# Altium PCB Main_Board.PcbDoc (part 17 of 19) (continued)
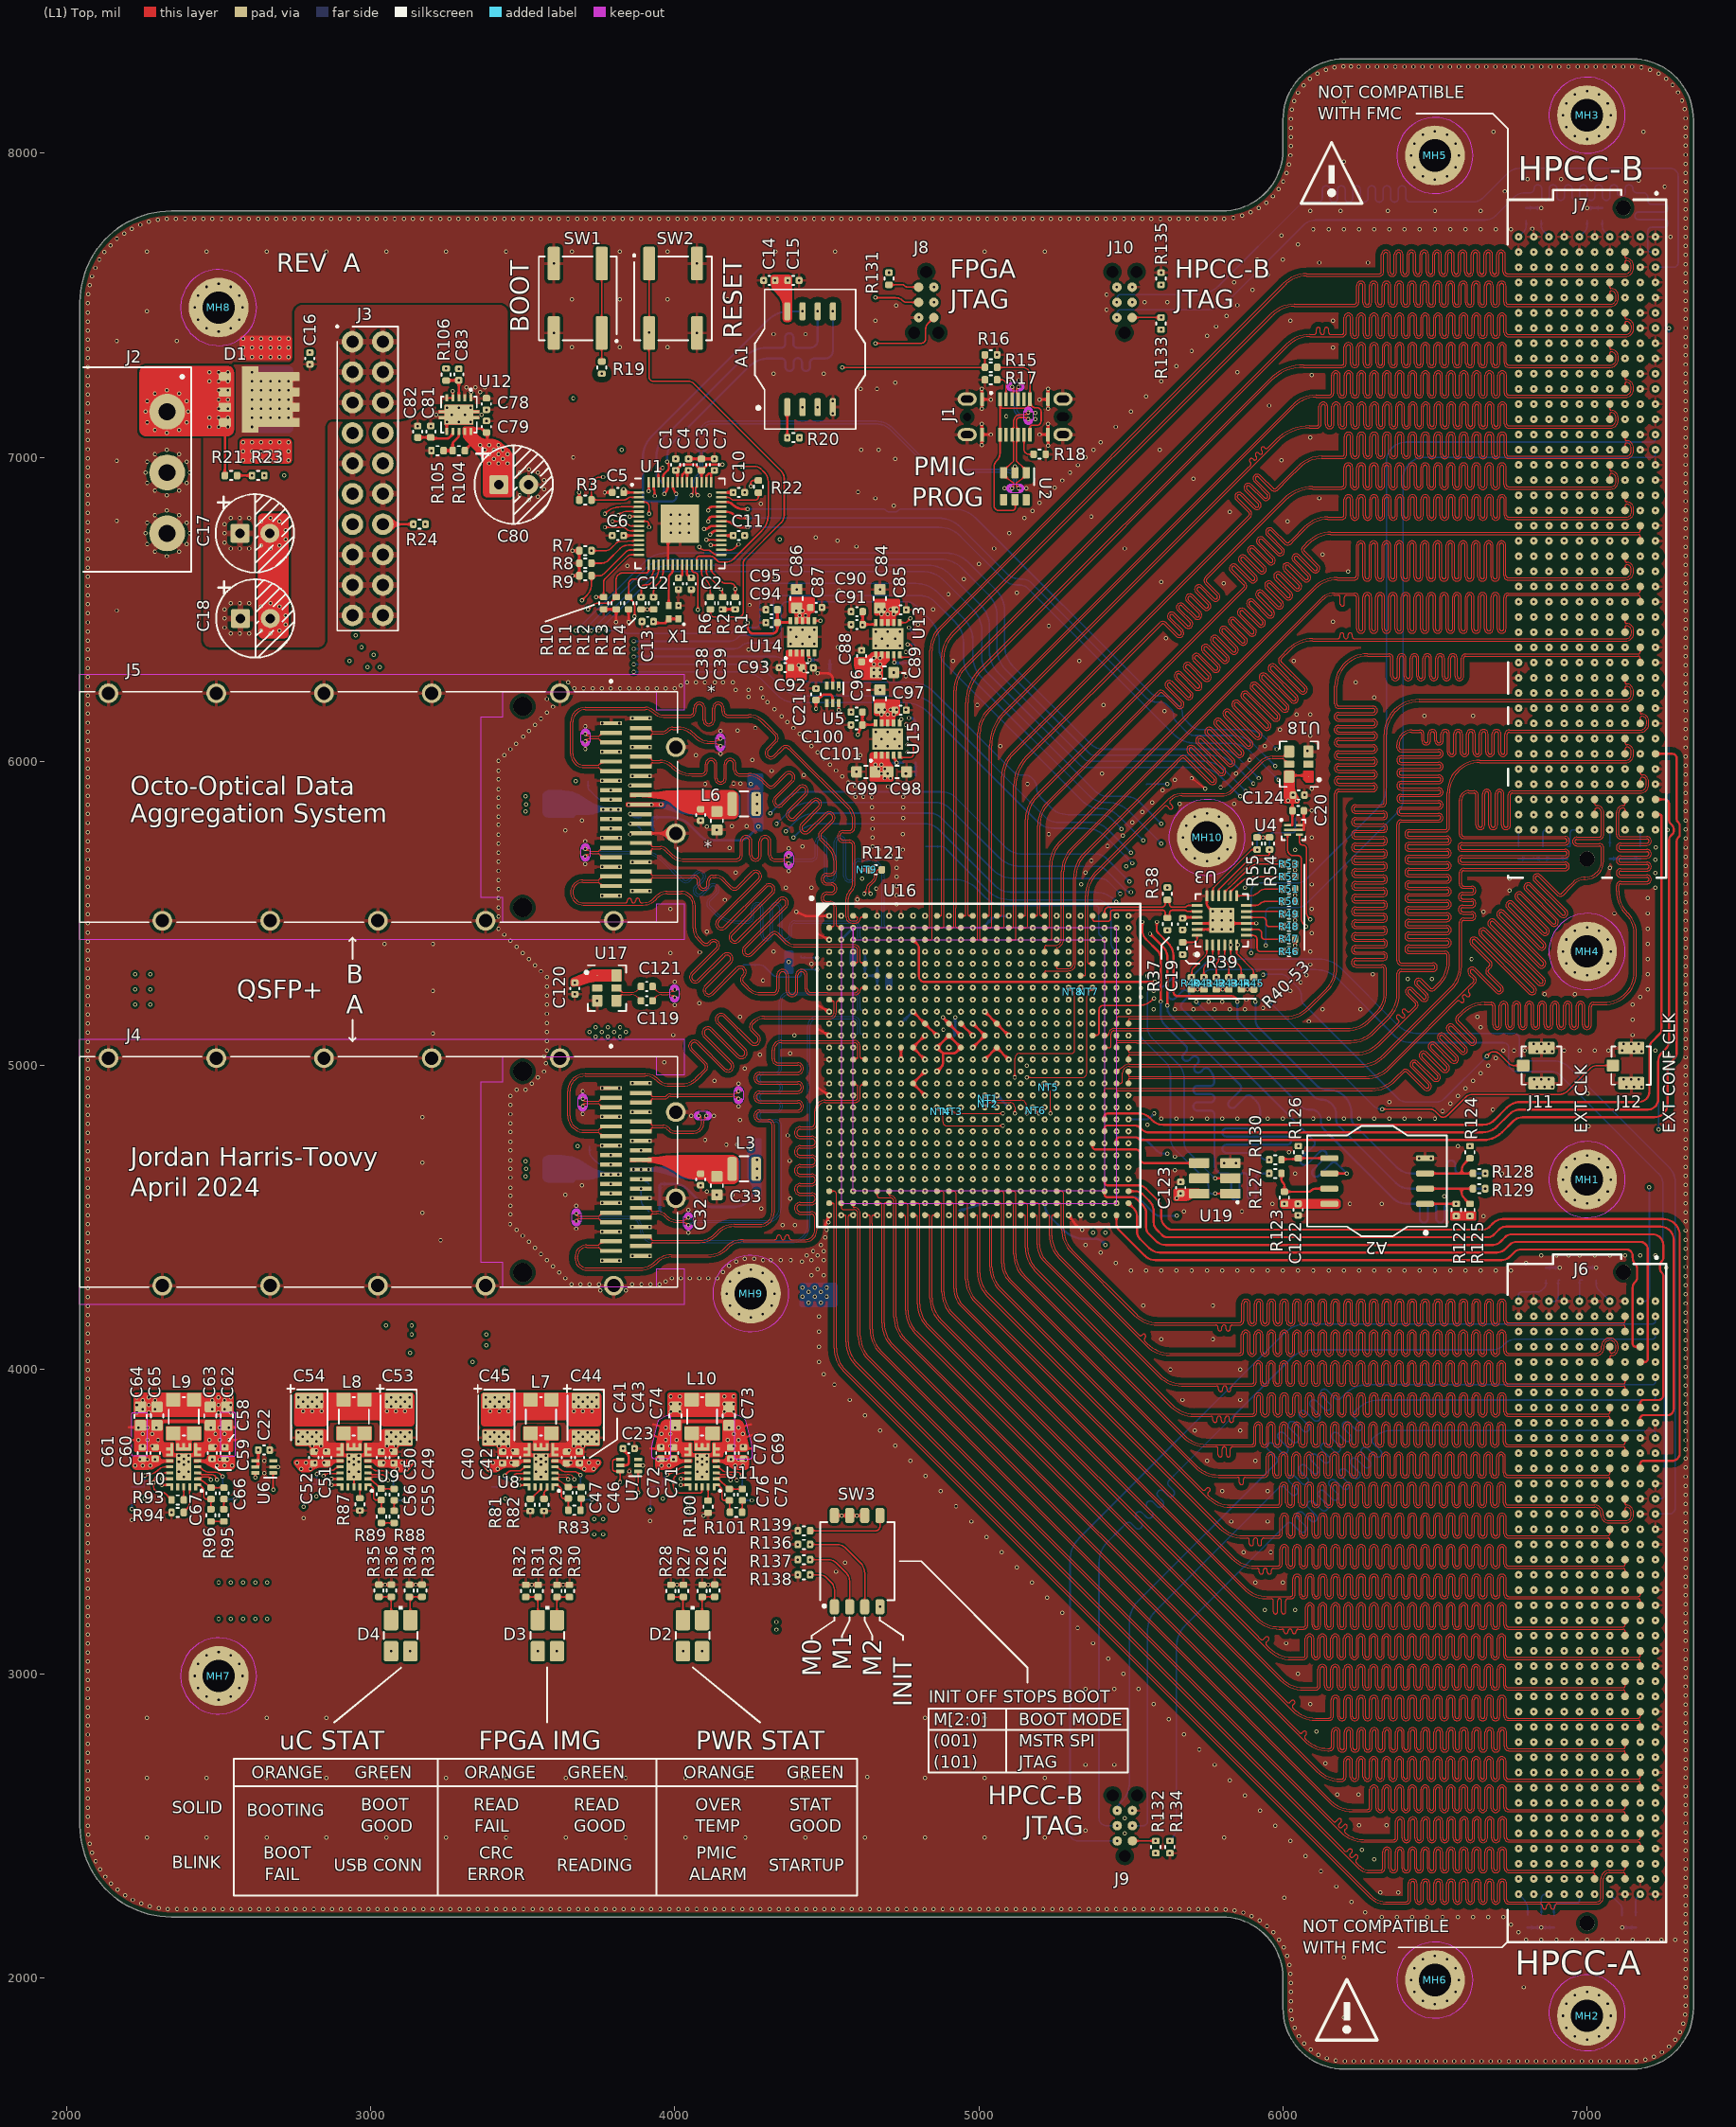
[diagram p0: (L1) Top view]
## Nets (pads, with @x,y where several pads share a name; then routed paths per layer and width w, separated by ;. In a path a pad name is that pad's centre, name@x,y a point inside that pad or via, vN(x,y) a via of type N, cw(c..) or ccw(c..) an arc to the next point about the centre after c; other vN are vias at no path point) (continued)
QSFP_A_TX4_P: J4.6 U16.H1 | length 2163
  (L1) Top w3.5: J4.6@3790.16,4768.11 3756.47,4773.25 3751.04,4778.99 3750.75,4779.24 ccw(c3748.47,4776.58) 3748.52,4780.08 3740,4780.08 3702.37,4780.08 cw(c3702.37,4835) 3647.45,4835 3647.45,4915 cw(c3705,4915) 3705,4972.55 3903.79,4972.55 cw(c3903.79,4913.79) 3945.34,4955.34 ccw(c3982.37,4992.37) 3982.37,4940 4025,4940 ccw(c4025,5000.36) 4067.68,4957.68 4068.77,4958.77 4097.4,4987.4 ccw(c4089.1,4995.71) 4097.4,5004.02 4051.17,5050.25 cw(c4064.79,5063.93) 4051.13,5077.56 ; 4051.16,5077.59 cw(c4064.79,5063.93) 4077.24,5078.68 4077.33,5078.68 4166.64,4989.37 ccw(c4174.93,4997.7) 4183.23,4989.39 ccw(c4174.93,4997.7) 4183.22,5006.03 4095.08,5094.16 ; 4095.07,5094.17 cw(c4108.7,5107.84) 4095.04,5121.47 ; 4095.07,5121.5 cw(c4108.7,5107.84) 4121.15,5122.59 4121.25,5122.59 4210.55,5033.28 ccw(c4218.84,5041.62) 4227.15,5033.31 ccw(c4218.84,5041.62) 4227.13,5049.94 ; 4138.99,5138.07 4227.12,5049.95 ; 4138.98,5138.08 cw(c4152.62,5151.75) 4138.97,5165.39 cw(c4152.62,5151.75) 4165.06,5166.5 4165.16,5166.5 4254.46,5077.19 ccw(c4262.75,5085.53) 4271.06,5077.22 ccw(c4262.75,5085.53) 4271.04,5093.85 4251.12,5113.77 cw(c4264.74,5127.45) 4251.09,5141.09 4255,5145 4255.52,5145.52 cw(c4293.34,5107.76) 4293.34,5161.2 4486.25,5161.2 4486.45,5161 4509.88,5161 ccw(c4509.88,5175) 4523.88,5175 4523.88,5207.65 ccw(c4520.38,5207.65) 4521.72,5210.88 U16.H1@4507.87,5216.54
QSFP_A_VCCA1: C32.2 C33.2 J4.30 L3.1
QSFP_A_VCCRX: C28.2 C29.2 J4.10 L1.1
  other v1: 3765.16,4642.13 3790.16,4642.13 3815.16,4642.13
QSFP_A_VCCTX: C30.2 C31.2 J4.29 L2.1
  other v1: 3863.58,4657.87 3888.58,4657.87 3913.58,4657.87
QSFP_B_I2C_SCL: J5.11 R47.1 U3.8 | length 2664.4
  (L1) Top w5: U3.8@5879.42,5447.63 5917.37,5447.63 cw(c5917.37,5435) 5930,5435 5930,5425 ccw(c5940,5425) 5940,5415 5998.89,5415 ccw(c5998.89,5416.03) v1(5999.92,5416.03)
  (L3) Inner 2 w5: v1(3790.16,5810.63) 3930.31,5810.63 ccw(c3930.31,5859.69) 3965,5825 cw(c3989.14,5800.86) 3989.14,5835 3997.17,5835 4014.67,5835 cw(c4014.67,5827.5) 4022.17,5827.5 4022.17,5817.57 ccw(c4029.67,5817.57) 4037.17,5817.57 4037.17,5827.5 cw(c4044.67,5827.5) 4044.67,5835 4059.94,5835 4090,5835 cw(c4090,5810.86) 4107.07,5827.93 4110,5825 ccw(c4146.21,5861.21) 4146.21,5810 4280,5810 ccw(c4280,5846.73) 4305.97,5820.76 v1(4313.71,5828.5)
  (L8) Inner 7 w5: v1(5495,5605) 5615.86,5605 cw(c5615.86,5570.86) 5640,5595 5695.86,5539.14 ccw(c5730,5573.28) 5730,5525 5845,5525 cw(c5845,5510) 5860,5510 5860,5460 ccw(c5875,5460) 5875,5445 5915,5445 cw(c5915,5430) 5930,5430 ccw(c5945,5430) 5945,5415 5998.89,5415 ccw(c5998.89,5416.03) v1(5999.92,5416.03)
  (L12) Bottom w5: v1(4313.71,5828.5) 4313.71,5828.71 4355.71,5870.71 cw(c4426.42,5800) 4426.42,5900 4876.72,5900 cw(c4876.72,5831.72) 4925,5880 5085.25,5719.75 ccw(c5145,5779.5) 5145,5695 5390,5695 cw(c5390,5658.79) 5415.61,5684.39 v1(5495,5605)
QSFP_B_I2C_SDA: J5.12 R46.1 U3.7 | length 2676.6
  (L1) Top w5: U3.7@5879.42,5427.94 5902.06,5427.94 cw(c5902.06,5415) 5915,5415 5915,5385 ccw(c5925,5385) 5925,5375 v1(5999.92,5375)
  (L3) Inner 2 w5: v1(3790.16,5779.13) ccw(c3795.31,5784.29) 3795.31,5777 3866.59,5777 cw(c3866.59,5677) 3937.3,5747.71 3955.53,5729.48 ccw(c3991.21,5766.21) 3991.21,5715 4090,5715 ccw(c4090,5763.28) 4124.14,5729.14 4150,5755 cw(c4174.14,5730.86) 4174.14,5765 4263.58,5765 ccw(c4263.58,5865) 4334.29,5794.29 v1(4335,5795)
  (L8) Inner 7 w5: v1(5500,5570) 5609.7,5570 cw(c5609.7,5550.35) 5623.6,5564.25 5690.92,5496.92 cw(c5669,5475) 5700,5475 5700,5450 ccw(c5720,5450) 5720,5430 5890,5430 cw(c5890,5405) 5915,5405 5915,5385 ccw(c5925,5385) 5925,5375 v1(5999.92,5375)
  (L12) Bottom w5: v1(4335,5795) 4375.71,5835.71 cw(c4446.42,5765) 4446.42,5865 4645.06,5865 ccw(c4645.03,5870) 4645.77,5865.06 cw(c4648.33,5848.82) 4650.88,5865.06 ccw(c4651.62,5870) 4651.59,5865 4856.72,5865 cw(c4856.72,5796.72) 4905,5845 5065.71,5684.29 ccw(c5136.42,5755) 5136.42,5655 5390,5655 cw(c5390,5618.79) 5415.61,5644.39 5480,5580 5482.93,5577.07 ccw(c5500,5594.14) v1(5500,5570)
QSFP_B_IntL/R\x\L\o\s\: J5.28 R61.1 U16.J21 | length 4474.1
  (L8) Inner 7 w5: v1(3853.15,5827.07) 3827.07,5827.07 ccw(c3827.07,5810) 3810,5810 3810,5775 cw(c3795,5775) 3795,5760 3785,5760 cw(c3785,5784.14) 3767.93,5767.07 3757.07,5777.93 ccw(c3740,5760.86) 3740,5785 3682.07,5785 cw(c3682.07,5802.07) 3670,5790 ccw(c3657.93,5777.93) 3657.93,5795 3510,5795 cw(c3510,5843.28) 3475.86,5809.14 3460.61,5824.39 ccw(c3435,5798.79) 3435,5835 3360,5835 cw(c3360,5855) 3340,5855 3340,6235 cw(c3430,6235) 3430,6325 3780,6325 ccw(c3780,6355) 3810,6355 cw(c3825,6355) 3825,6370 v1(3865,6370)
  (L10) Inner 9 w5: v1(5295.28,5177.17) 5307.17,5177.17 ccw(c5307.17,5185) 5315,5185 5315,5508.58 cw(c5415,5508.58) 5344.29,5579.29 5480.25,5715.25 cw(c5540,5655.5) v1(5540,5740)
  (L12) Bottom w5: v1(3853.15,5827.07) 3860.94,5819.06 3861,5819 ccw(c3868.16,5826.16) 3868.16,5816.03 R61.1@3889.76,5816.03 ; v1(3865,6370) 4195.86,6370 ccw(c4195.86,6404.14) 4220,6380 cw(c4244.14,6355.86) 4244.14,6390 4335,6390 ccw(c4335,6405) 4350,6405 4350,6505 cw(c4370,6505) 4370,6525 4760,6525 cw(c4760,6476.72) 4794.14,6510.86 4840.71,6464.29 cw(c4770,6393.58) 4870,6393.58 4870,6368.28 ccw(c4938.28,6368.28) 4890,6320 5340.25,5869.75 ccw(c5400,5929.5) 5400,5845 cw(c5400,5760.5) 5459.75,5820.25 v1(5540,5740)
QSFP_B_LPMode/TxDis: J5.31 U16.J25 | length 3572.7
  (L3) Inner 2 w5: v1(5452.76,5177.17) 5457.17,5177.17 ccw(c5457.17,5190) 5470,5190 5470,5510.86 cw(c5504.14,5510.86) 5480,5535 cw(c5504.14,5510.86) 5504.14,5545 5515,5545 ccw(c5515,5560) 5530,5560 5530,5655 ccw(c5520,5655) 5520,5665 v1(5505,5665)
  (L8) Inner 7 w5: v1(3853.15,5920.87) 3849.13,5920.87 cw(c3849.13,5935) 3835,5935 3835,5945 ccw(c3815,5945) 3815,5965 3636.42,5965 cw(c3636.42,6065) 3565.71,5994.29 3407.07,6152.93 cw(c3424.14,6170) 3400,6170 3400,6246.89 cw(c3433.11,6246.89) 3433.11,6280 3828.79,6280 ccw(c3828.79,6331.21) v1(3865,6295)
  (L12) Bottom w5: v1(3865,6295) 4218.58,6295 cw(c4218.58,6195) 4289.29,6265.71 4335.71,6219.29 ccw(c4399.77,6283.35) 4399.77,6192.76 4756.92,6192.76 cw(c4756.92,6083.35) 4834.29,6160.71 5193.79,5801.21 ccw(c5245,5852.43) 5245,5780 5348.58,5780 cw(c5348.58,5680) 5419.29,5750.71 v1(5505,5665)
QSFP_B_M\o\d\P\r\s\: J5.27 R59.1 U16.H24 | length 4612.6
  (L8) Inner 7 w5: v1(3853.15,5794.19) 3844.19,5794.19 ccw(c3844.19,5785) 3835,5785 3835,5740 cw(c3825,5740) 3825,5730 3745,5730 cw(c3745,5740) 3735,5740 3735,5745 ccw(c3725,5745) 3725,5755 3484.14,5755 cw(c3484.14,5789.14) 3460,5765 ccw(c3435.86,5740.86) 3435.86,5775 3350,5775 cw(c3350,5805) 3320,5805 3320,6240 cw(c3420,6240) 3420,6340 3770,6340 ccw(c3770,6365) 3795,6365 3795,6380 cw(c3810,6380) 3810,6395 v1(3865,6395)
  (L10) Inner 9 w5: v1(5413.39,5216.54) 5416.54,5216.54 ccw(c5416.54,5235) 5435,5235 5435,5538.58 cw(c5535,5538.58) 5464.29,5609.29 5480.86,5625.86 cw(c5515,5591.72) 5515,5640 5516.72,5640 ccw(c5516.72,5708.28) 5565,5660 5575.25,5670.25 ccw(c5515.5,5730) v1(5600,5730)
  (L12) Bottom w5: v1(3853.15,5794.19) 3863.47,5794.87 cw(c3863.8,5789.88) 3863.8,5794.88 cw(c3863.8,5774.8) 3878,5789 3884.53,5782.28 R59.1@3889.84,5775 ; v1(3865,6395) 4180.86,6395 ccw(c4180.86,6429.14) 4205,6405 4207.93,6407.93 cw(c4225,6390.86) 4225,6415 4315,6415 ccw(c4315,6425) 4325,6425 4325,6525 cw(c4345,6525) 4345,6545 4806.72,6545 cw(c4806.72,6476.72) 4855,6525 4920.71,6459.29 cw(c4850,6388.58) 4950,6388.58 4950,6338.28 ccw(c5042.43,6338.28) 4977.07,6272.93 5363.79,5886.21 ccw(c5415,5937.43) 5415,5865 5423.58,5865 cw(c5423.58,5765) 5494.29,5835.71 v1(5600,5730)
QSFP_B_M\o\d\S\e\l\: J5.8 U16.J24 | length 3651.1
  (L3) Inner 2 w5: v1(5413.39,5177.17) 5422.17,5177.17 ccw(c5422.17,5190) 5435,5190 5435,5593.58 cw(c5535,5593.58) 5464.29,5664.29 v1(5500,5700)
  (L8) Inner 7 w5: v1(3790.16,5905.12) 3603.86,5905.12 cw(c3603.86,5938.86) 3580,5915 3517.07,5977.93 ccw(c3500,5960.86) 3500,5985 3395,5985 cw(c3395,6000) 3380,6000 3380,6245 cw(c3430,6245) 3430,6295 3820,6295 ccw(c3820,6343.28) 3854.14,6309.14 v1(3865,6320)
  (L12) Bottom w5: v1(3865,6320) 4233.58,6320 cw(c4233.58,6220) 4304.29,6290.71 4350.71,6244.29 ccw(c4421.42,6315) 4421.42,6215 ; 4421.15,6215 4778.58,6215 cw(c4778.58,6115) 4849.29,6185.71 5220.86,5814.14 ccw(c5255,5848.28) 5255,5800 5364.64,5800 cw(c5364.64,5714.64) 5425,5775 v1(5500,5700)
QSFP_B_R\e\s\e\t\: J5.9 R57.1 U16.H22 | length 3928.2
  (L3) Inner 2 w5: v1(5334.65,5216.54) 5341.54,5216.54 ccw(c5341.54,5230) 5355,5230 5355,5563.58 cw(c5455,5563.58) 5384.29,5634.29 5492.93,5742.93 ccw(c5475.86,5760) 5500,5760 5500,5762.93 ccw(c5482.93,5762.93) 5495,5775 ccw(c5487.22,5767.22) 5487.22,5778.22 v1(5469.5,5778.22)
  (L8) Inner 7 w5: v1(3790.16,5873.62) 3587.47,5873.62 cw(c3587.47,5912.47) 3560,5885 3527.07,5917.93 ccw(c3510,5900.86) 3510,5925 3380,5925 cw(c3380,5945) 3360,5945 3360,6240 cw(c3430,6240) 3430,6310 3805,6310 ccw(c3805,6330) 3825,6330 cw(c3840,6330) 3840,6345 v1(3865,6345)
  (L12) Bottom w5: R57.1@3715.16,5935 3715.16,5916.69 ccw(c3731.69,5916.69) 3720,5905 3743.51,5881.49 ccw(c3764,5901.97) 3764,5873 3788.66,5873 ccw(c3788.66,5875.12) v1(3790.16,5873.62) ; v1(3865,6345) 4330.86,6345 cw(c4330.86,6310.86) 4355,6335 4412.32,6277.68 ccw(c4455,6320.36) 4455,6260 4778.58,6260 cw(c4778.58,6160) 4849.29,6230.71 5114.39,5965.61 ccw(c5140,5991.21) 5140,5955 5150.86,5955 cw(c5150.86,5920.86) 5175,5945 5179.39,5940.61 cw(c5153.79,5915) 5190,5915 ccw(c5238.28,5915) 5204.14,5880.86 5236.72,5848.28 ccw(c5292.93,5904.5) 5292.93,5825 5400.36,5825 cw(c5400.36,5771.01) 5438.53,5809.19 v1(5469.5,5778.22)
QSFP_B_RX1_N: J5.18 U16.G3 | length 2218.8
  (L1) Top w3.5: J5.18@3790.16,5590.16 3756.47,5595.3 3751.04,5601.04 3750.7,5601.32 ccw(c3748.46,5598.63) 3748.54,5602.13 3748.49,5602.13 3740,5602.13 3697.13,5602.13 ccw(c3697.13,5570) 3665,5570 ccw(c3700,5570) 3700,5535 3826.24,5535 3837.51,5535 ccw(c3837.51,5541.75) 3844.26,5541.75 3844.26,5543.2 cw(c3851.01,5543.2) 3857.76,5543.2 3857.76,5541.55 ccw(c3864.51,5541.55) 3871.26,5541.55 3871.26,5543.2 cw(c3878.01,5543.2) 3884.76,5543.2 3884.76,5541.75 ccw(c3891.51,5541.75) 3891.51,5535 3894.65,5535 ; 3894.7,5535 3905.01,5536.03 ccw(c3894.7,5587.32) 3906.76,5536.41 ccw(c3894.7,5587.32) 3931.7,5550.32 3939.02,5557.65 cw(c3975,5521.67) 3975,5572.55 4020,5572.55 cw(c4020,5525) 4067.55,5525 4067.55,5451.19 ; 4067.55,5451.14 ccw(c4112.67,5451.14) 4080.77,5419.23 4080.82,5419.18 4090.69,5409.31 4093.49,5406.51 4094.6,5405.4 ccw(c4102.91,5413.71) 4111.22,5405.4 4114.69,5408.87 cw(c4128.34,5395.22) 4141.98,5408.87 cw(c4128.34,5395.22) 4141.98,5381.58 ; 4141.96,5381.56 4059.31,5298.91 ccw(c4067.62,5290.6) 4059.31,5282.29 ccw(c4067.62,5290.6) 4075.91,5282.27 4158.6,5364.96 cw(c4172.25,5351.31) 4185.89,5364.96 cw(c4172.25,5351.31) 4185.89,5337.67 ; 4185.87,5337.65 4103.23,5255 ccw(c4111.53,5246.69) 4119.82,5238.36 4202.51,5321.05 cw(c4216.16,5307.4) 4229.81,5321.05 cw(c4216.16,5307.4) 4229.81,5293.75 4226.33,5290.28 ccw(c4234.64,5281.97) 4226.33,5273.67 4240.36,5259.64 4243.16,5256.84 4244.78,5255.22 ccw(c4281.04,5291.47) 4281.04,5240.2 4318.17,5240.2 4323.69,5240.2 ccw(c4323.69,5251.95) 4335.44,5251.95 4335.44,5296.58 cw(c4354.74,5296.58) 4374.04,5296.58 4374.04,5245.87 ccw(c4385.79,5245.87) 4397.54,5245.87 4397.54,5296.58 cw(c4416.84,5296.58) 4436.14,5296.58 4436.14,5251.95 ccw(c4447.89,5251.95) 4447.89,5240.2 4497.32,5240.2 4497.42,5240.1 4501.04,5240.1 4501.14,5240 4501.28,5240 4594,5240 ccw(c4594,5249) 4603,5249 ccw(c4596.09,5249) 4596.09,5255.91 U16.G3@4586.61,5255.91
QSFP_B_RX1_P: J5.17 U16.G4 | length 2216.4
  (L1) Top w3.5: J5.17@3790.16,5621.65 3756.47,5616.51 3751.04,5610.77 3750.98,5610.72 cw(c3748.49,5613.18) 3748.49,5609.68 3740,5609.68 3697.13,5609.68 ccw(c3697.13,5570) 3657.45,5570 ccw(c3700,5570) 3700,5527.45 3894.65,5527.45 ; 3894.7,5527.45 ccw(c3894.7,5587.32) 3937.04,5544.99 3944.36,5552.31 cw(c3975,5521.67) 3975,5565 4020,5565 cw(c4020,5525) 4060,5525 4060,5451.19 ; 4060,5451.14 ccw(c4112.67,5451.14) 4075.35,5413.97 4075.48,5413.84 4085.35,5403.97 4088.16,5401.17 4089.24,5400.09 ccw(c4102.91,5413.71) 4116.56,5400.06 4120.03,5403.53 cw(c4128.34,5395.22) 4136.64,5403.53 cw(c4128.34,5395.22) 4136.67,5386.94 4053.98,5304.25 ccw(c4067.62,5290.6) 4053.98,5276.95 ccw(c4067.62,5290.6) 4081.27,5276.95 ; 4081.29,5276.97 4163.94,5359.62 cw(c4172.25,5351.31) 4180.56,5359.62 cw(c4172.25,5351.31) 4180.58,5343.03 4097.89,5260.34 ccw(c4111.53,5246.69) 4097.87,5233.06 ; 4097.9,5233.03 ccw(c4111.53,5246.69) 4125.18,5233.04 4207.85,5315.71 cw(c4216.16,5307.4) 4224.47,5315.71 cw(c4216.16,5307.4) 4224.49,5299.12 4221,5295.62 ccw(c4234.64,5281.97) 4221.02,5268.3 4235.02,5254.3 4237.23,5252.09 4237.82,5251.5 4239.39,5249.93 ccw(c4281.04,5291.47) 4281.04,5232.65 4318.17,5232.65 4323.69,5232.65 ccw(c4323.69,5251.95) 4342.99,5251.95 4342.99,5296.58 cw(c4354.74,5296.58) 4366.49,5296.58 4366.49,5245.87 ccw(c4385.79,5245.87) 4405.09,5245.87 4405.09,5296.58 cw(c4416.84,5296.58) 4428.59,5296.58 4428.59,5251.95 ccw(c4447.89,5251.95) 4447.89,5232.65 4497.32,5232.65 4497.42,5232.75 4498,5232.75 4498.1,5232.65 4501.28,5232.65 4594,5232.65 ccw(c4594,5249) 4610.35,5249 cw(c4617.26,5249) 4617.26,5255.91 U16.G4@4625.98,5255.91
QSFP_B_RX2_N: J5.21 U16.E3 | length 2165.4
  (L1) Top w3.5: J5.21@3888.58,5605.91 3922.27,5611.05 3924.12,5615.68 3924.45,5616.21 cw(c3927.43,5614.38) 3927.37,5617.88 ; 3927.4,5617.88 3935,5617.88 4040.78,5617.88 4063.37,5617.88 cw(c4063.37,5606.13) 4075.12,5606.13 4075.12,5595.23 ccw(c4094.42,5595.23) 4113.72,5595.23 4113.72,5606.13 cw(c4125.47,5606.13) 4125.47,5617.88 4131,5617.88 4131.8,5617.88 cw(c4131.8,5580.89) 4157.95,5607.05 4158,5607 4163.08,5601.92 4178.71,5586.28 4182.62,5582.38 ccw(c4196.27,5596.03) 4209.92,5582.38 4258.15,5630.61 ; 4258.17,5630.63 cw(c4266.48,5622.32) 4274.79,5630.63 cw(c4266.48,5622.32) 4274.79,5614.02 4138.54,5477.77 4138.54,5477.67 ccw(c4153.3,5465.23) 4166.99,5451.62 4302.06,5586.7 ; 4302.08,5586.72 cw(c4310.39,5578.41) 4318.7,5586.72 cw(c4310.39,5578.41) 4318.7,5570.1 4182.46,5433.86 4182.46,5433.76 ccw(c4197.21,5421.32) 4210.9,5407.71 4345.97,5542.79 ; 4345.99,5542.81 cw(c4354.3,5534.5) 4362.61,5542.81 cw(c4354.3,5534.5) 4362.61,5526.19 4226.37,5389.95 4226.37,5389.85 ccw(c4241.12,5377.41) 4227.47,5363.76 ccw(c4241.12,5377.41) 4254.81,5363.8 4319.69,5428.69 cw(c4328,5420.38) 4336.33,5428.67 4356.44,5408.56 4358.5,5406.5 4358.6,5406.4 4358.73,5406.27 ccw(c4398.12,5445.81) 4398.12,5390 ; 4398.16,5390 4473.92,5390 ; 4475,5390 4589.62,5390 cw(c4589.62,5377) 4602.62,5377 4602.62,5342.52 cw(c4599.12,5342.52) 4600.23,5339.2 U16.E3@4586.61,5334.65
QSFP_B_RX2_P: J5.22 U16.E4 | length 2178.3
  (L1) Top w3.5: J5.22@3888.58,5637.4 3922.27,5632.26 3924.12,5627.63 3924.42,5627.13 ccw(c3927.42,5628.93) 3927.4,5625.43 3935,5625.43 4040.78,5625.43 4063.37,5625.43 cw(c4063.37,5606.13) 4082.67,5606.13 4082.67,5595.23 ccw(c4094.42,5595.23) 4106.17,5595.23 4106.17,5606.13 cw(c4125.47,5606.13) 4125.47,5625.43 4131,5625.43 4131.8,5625.43 cw(c4131.8,5580.89) 4163.29,5612.38 4163.34,5612.34 4168.42,5607.26 4184.05,5591.62 4187.96,5587.72 ccw(c4196.27,5596.03) 4204.58,5587.72 4253.94,5637.08 4254.04,5637.08 cw(c4266.48,5622.32) 4280.13,5635.97 cw(c4266.48,5622.32) 4280.13,5608.68 4145.01,5473.56 ccw(c4153.3,5465.23) 4144.98,5456.93 ; 4145,5456.91 ccw(c4153.3,5465.23) 4161.61,5456.92 4297.85,5593.17 4297.95,5593.17 cw(c4310.39,5578.41) 4324.04,5592.06 cw(c4310.39,5578.41) 4324.04,5564.77 4188.92,5429.65 ccw(c4197.21,5421.32) 4188.89,5413.02 ccw(c4197.21,5421.32) 4205.52,5413.01 4341.76,5549.25 4341.86,5549.25 cw(c4354.3,5534.5) 4367.95,5548.15 cw(c4354.3,5534.5) 4367.95,5520.85 4232.83,5385.74 ; 4232.81,5385.72 ccw(c4241.12,5377.41) 4232.81,5369.1 ccw(c4241.12,5377.41) 4249.43,5369.1 4314.36,5434.03 cw(c4328,5420.38) 4340.45,5435.13 4340.54,5435.13 4341.63,5434.04 4363.84,5411.84 4363.94,5411.74 4363.99,5411.68 ccw(c4398.12,5445.81) 4398.12,5397.55 ; 4398.16,5397.55 4490,5397.55 4490,5397.35 4589.62,5397.35 cw(c4589.62,5377) 4609.97,5377 4609.97,5342.52 ccw(c4613.47,5342.52) 4612.36,5339.2 U16.E4@4625.98,5334.65
QSFP_B_RX3_N: J5.15 U16.C3 | length 1748.9
  (L1) Top w3.5: v1(3706,5688) cw(c3727.73,5666.27) 3727.73,5697 3748.13,5697 cw(c3748.13,5693.5) 3750.67,5695.91 3756.47,5689.79 J5.15@3790.16,5684.65
  (L12) Bottom w3.5: v1(3706,5688) cw(c3727.5,5666.5) 3727.5,5696.91 3894.67,5696.91 ; 3894.69,5696.91 cw(c3894.64,5605.72) 3959.12,5670.2 4018.88,5610.44 4021.68,5607.64 4022.76,5606.56 ccw(c4036.44,5620.18) 4050.08,5606.53 4074.28,5630.73 cw(c4082.59,5622.42) 4090.9,5630.73 cw(c4082.59,5622.42) 4090.92,5614.14 4065.87,5589.09 ccw(c4079.52,5575.44) 4065.87,5561.79 ccw(c4079.52,5575.44) 4093.16,5561.79 ; 4093.18,5561.81 4118.19,5586.82 cw(c4126.5,5578.51) 4134.81,5586.82 cw(c4126.5,5578.51) 4134.83,5570.23 4110.61,5546.01 ccw(c4124.26,5532.36) 4110.64,5518.69 4125.36,5503.96 4128.16,5501.16 4128.82,5500.5 ccw(c4206.2,5577.88) 4206.2,5468.45 4234.73,5468.45 4240.25,5468.45 ccw(c4240.25,5487.75) 4259.55,5487.75 4259.55,5516.02 cw(c4271.3,5516.02) 4283.05,5516.02 4283.05,5428.98 ccw(c4302.35,5428.98) 4321.65,5428.98 4321.65,5516.02 cw(c4333.4,5516.02) 4345.15,5516.02 4345.15,5428.98 ccw(c4364.45,5428.98) 4383.75,5428.98 4383.75,5456.7 cw(c4395.5,5456.7) 4395.5,5468.45 4420.47,5468.45 4478.44,5468.45 4586.68,5468.44 cw(c4586.61,5452.76) 4602.02,5455.7 4602.55,5453 4602.55,5422.34 cw(c4599.05,5422.34) 4600.39,5419.1 v1(4586.61,5413.39)
QSFP_B_RX3_P: J5.14 U16.C4 | length 1760.1
  (L1) Top w3.5: v1(3706,5713) ccw(c3726.4,5733.4) 3726.4,5704.55 3748.88,5704.55 ccw(c3748.86,5708.05) 3751.39,5705.63 3756.47,5711 J5.14@3790.16,5716.14
  (L12) Bottom w3.5: v1(3706,5713) ccw(c3726.62,5733.62) 3726.56,5704.46 ccw(c3726.62,5733.62) 3726.62,5704.46 3894.64,5704.46 cw(c3894.64,5605.72) 3964.46,5675.54 4024.22,5615.78 4027.02,5612.98 4028.13,5611.87 ccw(c4036.44,5620.18) 4044.74,5611.87 4068.94,5636.07 cw(c4082.59,5622.42) 4096.24,5636.07 cw(c4082.59,5622.42) 4096.24,5608.78 ; 4096.22,5608.76 4071.21,5583.75 ccw(c4079.52,5575.44) 4071.21,5567.13 ccw(c4079.52,5575.44) 4087.8,5567.11 4112.85,5592.16 cw(c4126.5,5578.51) 4140.15,5592.16 cw(c4126.5,5578.51) 4140.15,5564.87 4115.95,5540.67 ccw(c4124.26,5532.36) 4115.95,5524.05 4130.7,5509.3 4133.5,5506.5 4134.16,5505.84 ccw(c4206.2,5577.88) 4206.2,5476 4234.73,5476 4240.25,5476 ccw(c4240.25,5487.75) 4252,5487.75 4252,5516.02 cw(c4271.3,5516.02) 4290.6,5516.02 4290.6,5428.98 ccw(c4302.35,5428.98) 4314.1,5428.98 4314.1,5516.02 cw(c4333.4,5516.02) 4352.7,5516.02 4352.7,5428.98 ccw(c4364.45,5428.98) 4376.2,5428.98 4376.2,5456.7 cw(c4395.5,5456.7) 4395.5,5476 4420.47,5476 4446.87,5476 4490,5475.99 4490,5475.94 4586.71,5475.94 cw(c4586.61,5452.76) 4609.37,5457.19 4609.91,5454.45 cw(c4602.55,5453) 4610.05,5453 4610.05,5422.34 ccw(c4613.55,5422.34) 4612.21,5419.1 v1(4625.98,5413.39)
QSFP_B_RX4_N: J5.24 U16.B5 | length 1786.3
  (L1) Top w3.5: J5.24@3888.58,5700.39 3922.27,5705.53 3924.12,5710.17 ; 3924.13,5710.19 cw(c3927.37,5708.87) 3927.37,5712.37 3952.22,5712.37 cw(c3952.22,5687.22) 3970,5705 3986.68,5688.32 ccw(c4025,5726.65) 4025,5672.45 4197.95,5672.45 4203.48,5672.45 ccw(c4203.48,5691.75) 4222.78,5691.75 4222.78,5736.6 cw(c4234.53,5736.6) 4246.28,5736.6 4246.28,5691.73 ccw(c4265.58,5691.73) 4284.88,5691.73 4284.88,5736.6 cw(c4296.63,5736.6) 4308.38,5736.6 4308.38,5691.75 ccw(c4327.68,5691.75) 4327.68,5672.45 4347.27,5672.45 ; 4347.28,5672.46 4348.08,5672.46 4351.22,5672.45 ; 4351.23,5672.43 4355,5672.43 cw(c4355,5645.03) 4374.37,5664.4 v1(4375.07,5663.7)
  (L12) Bottom w3.5: v1(4375.07,5663.7) cw(c4396.14,5642.64) 4396.14,5672.43 4445,5672.43 4450.53,5672.43 ccw(c4450.53,5691.73) 4469.83,5691.73 4469.83,5735.28 cw(c4481.58,5735.28) 4493.33,5735.28 4493.33,5621.99 ccw(c4512.63,5621.99) 4531.93,5621.99 4531.93,5735.28 cw(c4543.68,5735.28) 4555.43,5735.28 4555.43,5621.99 ccw(c4574.73,5621.99) 4594.03,5621.99 4594.03,5660.68 cw(c4605.78,5660.68) 4605.78,5672.43 4629,5672.43 4635.13,5672.43 cw(c4635.13,5626.27) 4681.29,5626.27 4681.29,5461.39 cw(c4677.79,5461.39) 4679.07,5458.13 v1(4665.35,5452.76)
QSFP_B_RX4_P: J5.25 U16.B6 | length 1798.2
  (L1) Top w3.5: J5.25@3888.58,5731.89 3922.27,5726.75 3924.12,5722.12 ; 3924.13,5722.1 ccw(c3927.37,5723.42) 3927.37,5719.92 3952.22,5719.92 cw(c3952.22,5687.22) 3975.34,5710.34 3992.01,5693.66 ccw(c4025,5726.65) 4025,5680 4197.95,5680 4203.48,5680 ccw(c4203.48,5691.75) 4215.23,5691.75 4215.23,5736.6 cw(c4234.53,5736.6) 4253.83,5736.6 4253.83,5691.73 ccw(c4265.58,5691.73) 4277.33,5691.73 4277.33,5736.6 cw(c4296.63,5736.6) 4315.93,5736.6 4315.93,5691.75 ccw(c4327.68,5691.75) 4327.68,5680 4347.27,5680 ; 4347.28,5679.99 4351.2,5679.99 ; 4351.23,5679.98 4355,5679.98 ccw(c4355,5707.37) 4374.37,5688 v1(4375.07,5688.7)
  (L12) Bottom w3.5: v1(4375.07,5688.7) ccw(c4396.14,5709.76) 4396.14,5679.98 4445,5679.98 4450.53,5679.98 ccw(c4450.53,5691.73) 4462.28,5691.73 4462.28,5735.28 cw(c4481.58,5735.28) 4500.88,5735.28 4500.88,5621.99 ccw(c4512.63,5621.99) 4524.38,5621.99 4524.38,5735.28 cw(c4543.68,5735.28) 4562.98,5735.28 4562.98,5621.99 ccw(c4574.73,5621.99) 4586.48,5621.99 4586.48,5660.68 cw(c4605.78,5660.68) 4605.78,5679.98 4629,5679.98 4635.13,5679.98 cw(c4635.13,5626.27) 4688.84,5626.27 4688.84,5515 ; 4688.79,5515 4688.79,5461.39 ccw(c4692.29,5461.39) 4691.01,5458.13 v1(4704.72,5452.76)
QSFP_B_TX1_N: J5.37 U16.F2 | length 1493.8
  (L1) Top w3.5: J5.37@3888.58,6109.84 3922.27,6104.7 3924.12,6100.07 ccw(c3927.37,6101.37) 3927.37,6097.87 3957.79,6097.87 ccw(c3957.79,6122.21) 3975,6105 cw(c3993.23,6086.77) 3993.23,6112.55 4011.72,6112.55 cw(c4011.72,6036.72) 4065.34,6090.34 4071.06,6084.61 ccw(c4115.34,6128.89) 4115.34,6066.28 4128.94,6066.27 ccw(c4128.94,6096.06) v1(4150,6075)
  (L10) Inner 9 w3.5: v1(4150,6075) ccw(c4169.56,6094.56) 4169.56,6066.9 4303.61,6066.9 ; 4303.83,6066.9 4315.48,6066.9 cw(c4315.48,5958.1) 4392.41,6035.03 4540.26,5887.18 cw(c4463.33,5810.25) 4572.13,5810.25 4572.13,5789.78 4572.13,5766.68 cw(c4551.58,5766.68) 4551.58,5746.13 4513.84,5746.13 ccw(c4513.84,5734.38) 4513.84,5722.63 4551.58,5722.63 cw(c4551.58,5702.08) 4572.13,5702.08 4572.13,5695.93 4572.13,5512.3 cw(c4570.83,5512.3) 4570.83,5511 4570.83,5373.65 cw(c4547.64,5373.65) 4547.64,5350.47 4546.78,5350.47 ccw(c4546.78,5335) 4531.31,5335 4531.31,5311 4531.31,5304.32 ccw(c4534.81,5304.34) 4533.11,5301.28 4533.45,5301.1 v1(4547.24,5295.28)
QSFP_B_TX1_P: J5.36 U16.F1 | length 1496.9
  (L1) Top w3.5: J5.36@3888.58,6078.35 3922.27,6083.49 3924.12,6088.12 cw(c3927.37,6086.82) 3927.37,6090.32 3957.79,6090.32 ccw(c3957.79,6122.21) 3980.34,6099.66 cw(c3993.23,6086.77) 3993.23,6105 4011.72,6105 cw(c4011.72,6036.72) 4060,6085 4066.83,6078.17 ccw(c4113.77,6125.12) 4113.77,6058.72 4128.94,6058.73 cw(c4128.94,6028.94) v1(4150,6050)
  (L10) Inner 9 w3.5: v1(4150,6050) cw(c4169.56,6030.44) 4169.56,6058.1 4315.48,6058.1 cw(c4315.48,5958.1) 4386.19,6028.81 4534.04,5880.96 cw(c4463.33,5810.25) 4563.33,5810.25 4563.33,5789.78 4563.33,5766.68 cw(c4551.58,5766.68) 4551.58,5754.93 4513.84,5754.93 ccw(c4513.84,5734.38) 4513.84,5713.83 4551.58,5713.83 cw(c4551.58,5702.08) 4563.33,5702.08 4563.33,5695.93 4563.33,5674.32 4563.33,5665.51 cw(c4556.58,5665.51) 4556.58,5658.76 4555.66,5658.76 ccw(c4555.66,5652.01) 4555.66,5645.26 4556.58,5645.26 cw(c4556.58,5638.51) 4563.33,5638.51 4563.33,5636.76 4563.33,5373.65 cw(c4547.64,5373.65) 4547.64,5357.97 4546.71,5357.97 ccw(c4546.71,5335.07) 4523.81,5335.07 4523.81,5335 4523.81,5311.04 ; v1(4507.87,5295.28) 4521.67,5301.1 4521.93,5301.23 ccw(c4520.31,5304.34) 4523.81,5304.31 ; 4523.81,5304.38 4523.81,5311
QSFP_B_TX2_N: J5.2 U16.D2 | length 1423.6
  (L1) Top w3.5: v1(3706.21,6090.9) 3709.81,6087.3 ccw(c3722.42,6099.91) 3722.42,6082.07 ; 3722.43,6082.07 3739.95,6082.07 3740,6082.12 3748.49,6082.12 ccw(c3748.47,6085.62) 3750.76,6082.97 3751.04,6083.21 3756.47,6088.95 J5.2@3790.16,6094.09
  (L10) Inner 9 w3.5: v1(3706.21,6090.9) ccw(c3725.69,6110.38) 3725.7,6082.83 3855.97,6082.83 cw(c3855.97,6046.23) 3892.57,6046.23 3892.57,5764.2 ccw(c3933.04,5764.2) 3904.42,5735.58 4172.46,5467.54 ccw(c4243.17,5538.25) 4243.17,5438.25 4488.7,5438.25 cw(c4488.7,5436.95) 4490,5436.95 4510.36,5436.95 cw(c4510.36,5416) 4531.31,5416 4531.31,5391 4531.31,5383.31 ccw(c4534.81,5383.31) 4533.1,5380.25 4533.4,5380.08 v1(4547.24,5374.02)
QSFP_B_TX2_P: J5.3 U16.D1 | length 1427
  (L1) Top w3.5: v1(3706.21,6065.9) 3711.96,6071.65 cw(c3719.38,6064.24) 3719.38,6074.72 3739.85,6074.72 3740,6074.57 3748.49,6074.57 cw(c3748.47,6071.07) 3750.75,6073.73 3751.04,6073.48 3756.47,6067.74 J5.3@3790.16,6062.6
  (L10) Inner 9 w3.5: v1(3706.21,6065.9) cw(c3725.83,6046.27) 3725.83,6074.03 3855.97,6074.03 cw(c3855.97,6046.23) 3883.77,6046.23 3883.77,5764.2 ccw(c3933.04,5764.2) 3898.2,5729.36 4166.24,5461.32 ccw(c4243.17,5538.25) 4243.17,5429.45 4303,5429.45 4318.25,5429.45 cw(c4318.25,5422.7) 4325,5422.7 4325,5422.58 ccw(c4331.75,5422.58) 4338.5,5422.58 4338.5,5422.7 cw(c4345.25,5422.7) 4345.25,5429.45 4365,5429.45 4510.36,5429.45 cw(c4510.36,5416) 4523.81,5416 4523.81,5391 4523.81,5383.31 cw(c4520.31,5383.33) 4522.14,5380.34 4521.71,5380.08 v1(4507.87,5374.02)
QSFP_B_TX3_N: J5.34 U16.B2 | length 2068.1
  (L1) Top w3.5: J5.34@3888.58,6015.35 3922.27,6010.21 3924.12,6005.58 ccw(c3927.37,6006.88) 3927.37,6003.38 3951.78,6003.38 cw(c3951.78,5941.78) 3995.34,5985.34 3996.41,5984.27 ccw(c4055,6042.86) 4055,5960 4083,5960 4088.53,5960 ccw(c4088.53,5971.75) 4100.28,5971.75 4100.28,5990.45 cw(c4119.58,5990.45) 4138.88,5990.45 4138.88,5944.18 ccw(c4150.63,5944.18) 4162.38,5944.18 4162.38,5990.45 cw(c4181.68,5990.45) 4200.98,5990.45 4200.98,5971.75 ccw(c4212.73,5971.75) 4212.73,5960 4235.35,5960 4242.3,5960 cw(c4242.3,5891.49) 4290.74,5939.93 4292.23,5938.45 4295.03,5935.65 4307.81,5922.86 ccw(c4316.12,5931.17) 4324.43,5922.86 4362.23,5960.66 cw(c4375.88,5947.01) 4389.52,5960.66 cw(c4375.88,5947.01) 4389.52,5933.37 4333.24,5877.08 ccw(c4341.55,5868.77) 4333.24,5860.46 ccw(c4341.55,5868.77) 4349.83,5860.44 4406.14,5916.75 cw(c4419.79,5903.1) 4433.43,5916.75 cw(c4419.79,5903.1) 4433.43,5889.45 ; 4433.41,5889.43 4377.15,5833.17 ccw(c4385.46,5824.86) 4377.15,5816.55 ccw(c4385.46,5824.86) 4393.74,5816.53 4450.05,5872.84 cw(c4463.7,5859.19) 4476.14,5873.94 4476.24,5873.94 4478.45,5871.73 4478.45,5871.63 cw(c4463.7,5859.19) 4477.35,5845.54 ; 4477.32,5845.52 4421.06,5789.26 ccw(c4429.37,5780.95) 4421.06,5772.64 ccw(c4429.37,5780.95) 4437.65,5772.62 4493.96,5828.93 cw(c4507.61,5815.28) 4521.26,5828.93 cw(c4507.61,5815.28) 4521.26,5801.63 ; 4521.24,5801.61 4483.46,5763.83 ccw(c4491.77,5755.53) 4483.46,5747.22 4506.52,5724.16 4509.32,5721.35 4510.72,5719.96 4510.77,5719.91 cw(c4460.89,5670.02) 4531.43,5670.02 4531.43,5666 4531.43,5659.01 4531.33,5658.91 4531.33,5643.52 cw(c4512.23,5643.52) 4512.23,5624.42 4500.12,5624.42 ccw(c4500.12,5612.67) 4500.12,5600.92 4514.29,5600.92 cw(c4514.29,5581.82) 4514.29,5562.72 4500.12,5562.72 ccw(c4500.12,5550.97) 4500.12,5539.22 4512.23,5539.22 cw(c4512.23,5520.12) 4531.33,5520.12 4531.33,5515.24 4531.23,5515.14 4531.23,5514.69 4531.23,5461.39 ccw(c4534.73,5461.41) 4533.12,5458.31 4533.46,5458.13 U16.B2@4547.24,5452.76